# Allegro board belt-box-dvt3-0706pm14.brd (continued)
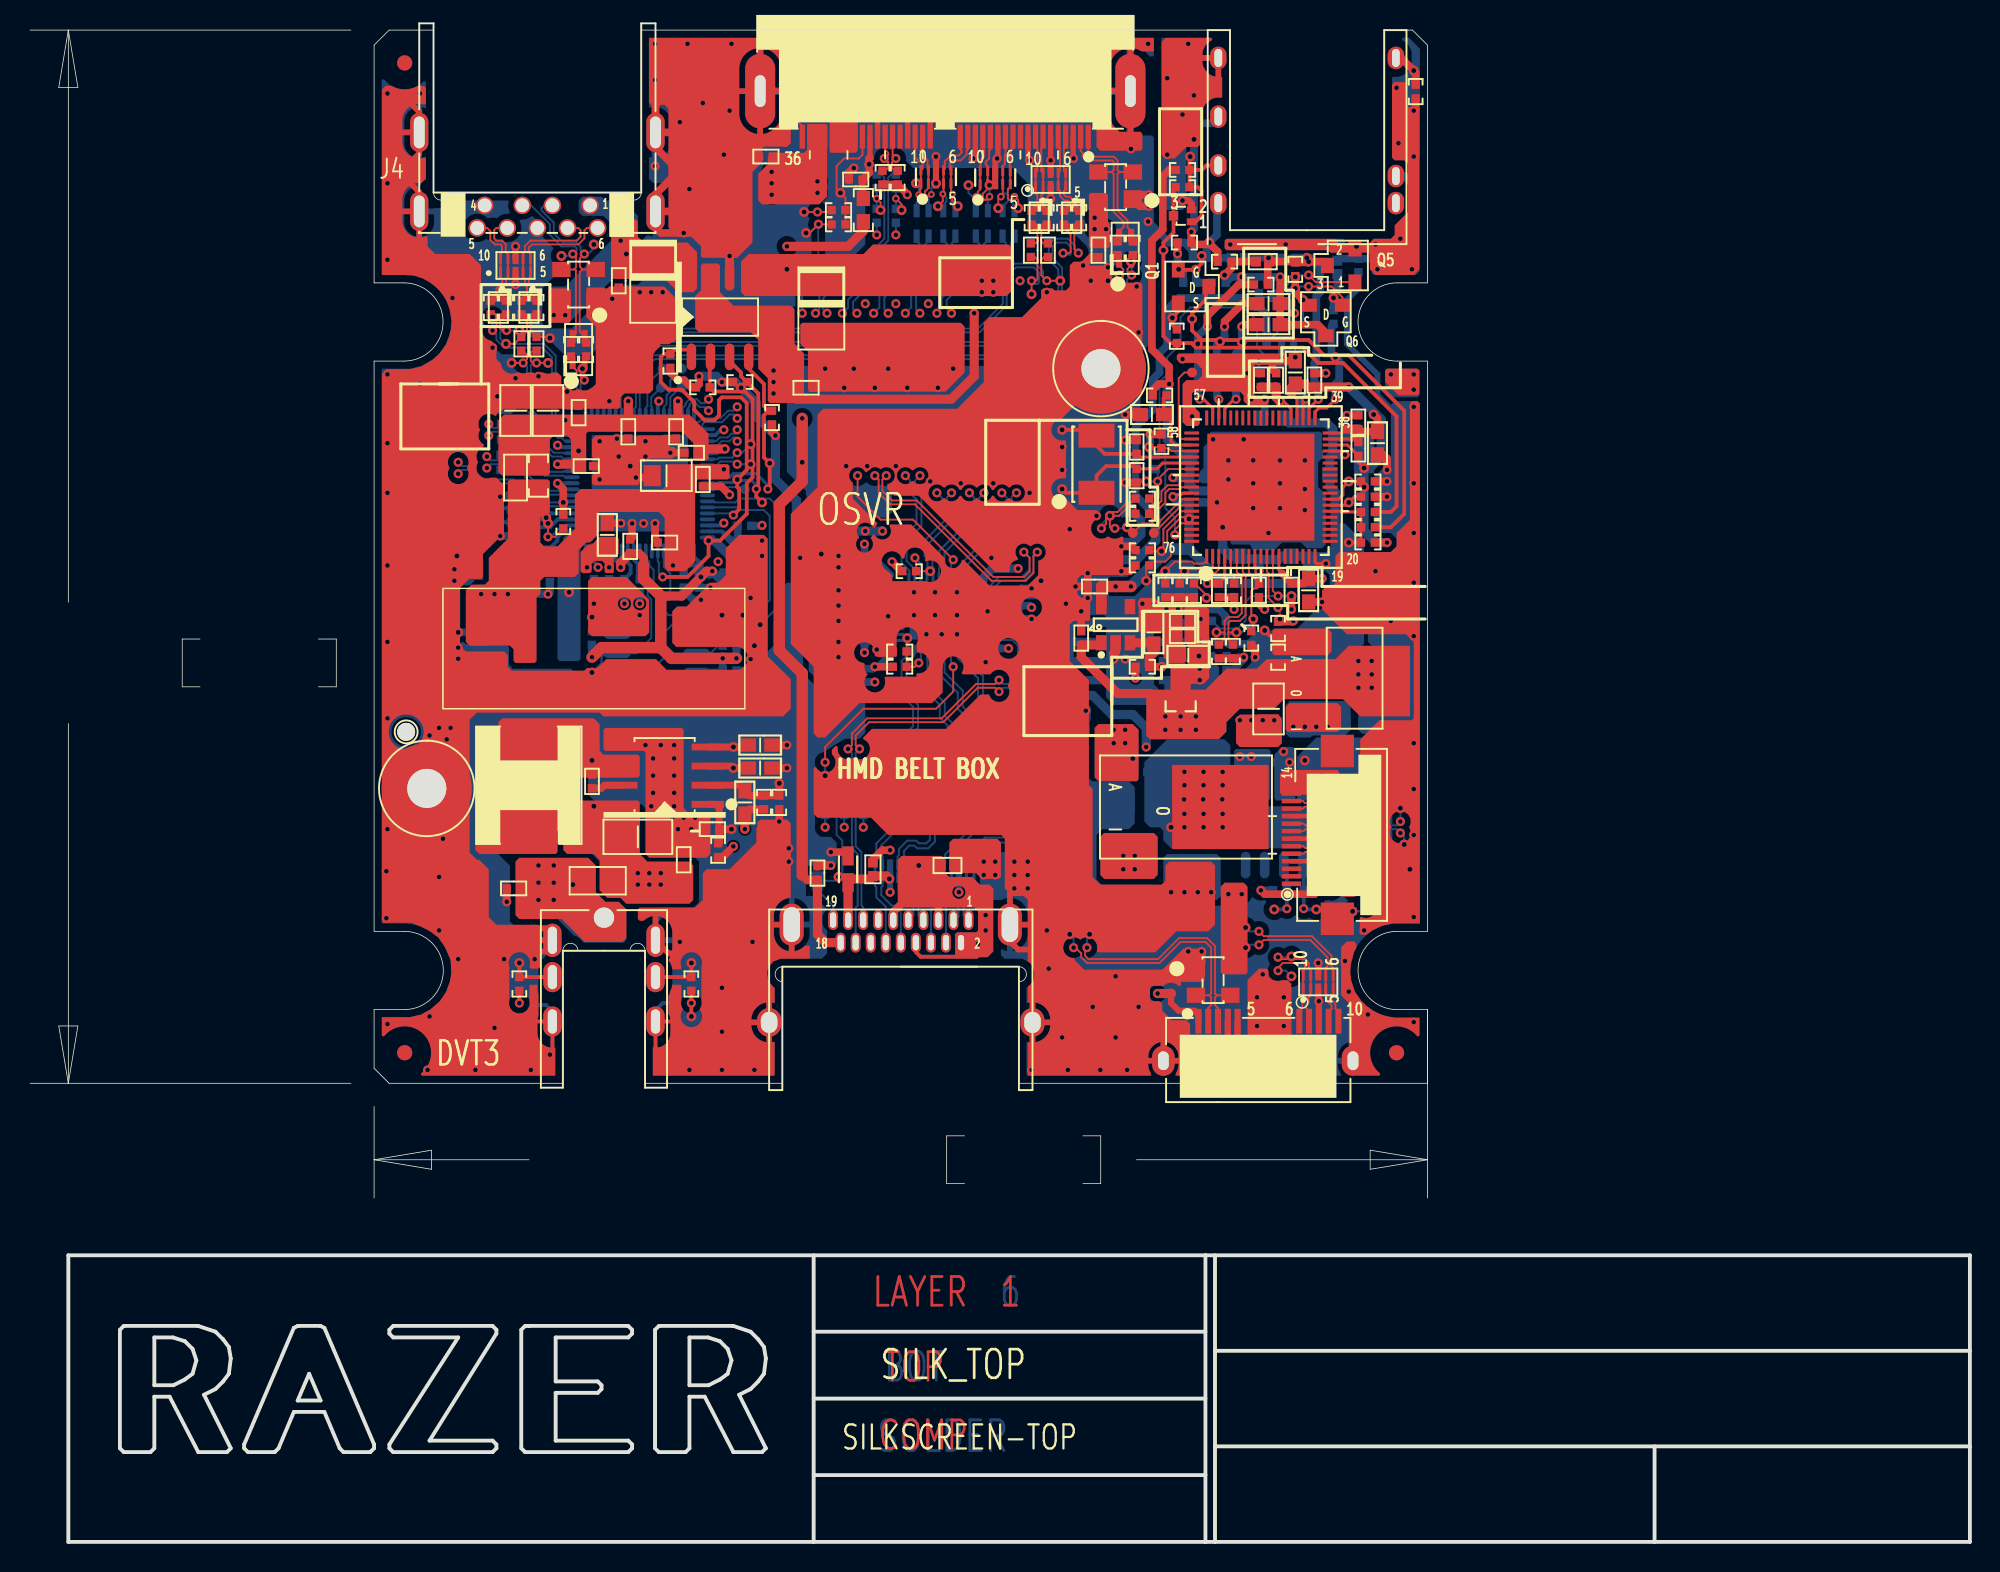
[diagram p0: board, top side]
## Footprints (pads in the part's own frame, mm; a bottom-side part is the same pattern mirrored in y, then rotated) (continued)
  rect 6.401x6.401 smd: 77(0,0)
QFN76-9X9-4-77P
  rect 0.991x0.203 smd: 1(-4.6,3.6) 2(-4.6,3.2) 3(-4.6,2.8) 4(-4.6,2.4) 5(-4.6,2) 6(-4.6,1.6) 7(-4.6,1.2) 8(-4.6,0.8) 9(-4.6,0.4) 10(-4.6,0) 11(-4.6,-0.4) 12(-4.6,-0.8) 13(-4.6,-1.2) 14(-4.6,-1.6) 15(-4.6,-2) 16(-4.6,-2.4) 17(-4.6,-2.8) 18(-4.6,-3.2) 19(-4.6,-3.6) 39(4.6,-3.6) 40(4.6,-3.2) 41(4.6,-2.8) 42(4.6,-2.4) 43(4.6,-2) 44(4.6,-1.6) 45(4.6,-1.2) 46(4.6,-0.8) 47(4.6,-0.4) 48(4.6,0) 49(4.6,0.4) 50(4.6,0.8) 51(4.6,1.2) 52(4.6,1.6) 53(4.6,2) 54(4.6,2.4) 55(4.6,2.8) 56(4.6,3.2) 57(4.6,3.6)
  rect 0.203x0.991 smd: 20(-3.6,-4.6) 21(-3.2,-4.6) 22(-2.8,-4.6) 23(-2.4,-4.6) 24(-2,-4.6) 25(-1.6,-4.6) 26(-1.2,-4.6) 27(-0.8,-4.6) 28(-0.4,-4.6) 29(0,-4.6) 30(0.4,-4.6) 31(0.8,-4.6) 32(1.2,-4.6) 33(1.6,-4.6) 34(2,-4.6) 35(2.4,-4.6) 36(2.8,-4.6) 37(3.2,-4.6) 38(3.6,-4.6) 58(3.6,4.6) 59(3.2,4.6) 60(2.8,4.6) 61(2.4,4.6) 62(2,4.6) 63(1.6,4.6) 64(1.2,4.6) 65(0.8,4.6) 66(0.4,4.6) 67(0,4.6) 68(-0.4,4.6) 69(-0.8,4.6) 70(-1.2,4.6) 71(-1.6,4.6) 72(-2,4.6) 73(-2.4,4.6) 74(-2.8,4.6) 75(-3.2,4.6) 76(-3.6,4.6)
  rect 7.112x7.112 smd: 77(0,0)
R0402
  rect 0.559x0.559 smd: 1(-0.457,0) 2(0.457,0)
R0603
  rect 1.016x0.889 smd: 1(-0.775,0) 2(0.775,0)
R-PDSO-G8
  rect 0.457x2.159 smd: 1(-1.905,-2.875) 2(-0.635,-2.875) 3(0.635,-2.875) 4(1.905,-2.875) 5(1.905,2.875) 6(0.635,2.875) 7(-0.635,2.875) 8(-1.905,2.875)
  rect 3.099x2.413 smd: 9(0,0)
SHORT0805
  rect 1.422x1.346 smd: 1(0.895,0) 2(-0.895,0)
SINGATRON_2DC3064-010111F
  rect 1.854x1.854 hole 1.346: 1(0,-8.3)
  oval 1.219x2.21 hole 0.61x1.803: 2(3.425,-6.8) G1(-3.425,-6.8)
  oval 1.219x2.007 hole 0.61x1.6: 3(3.425,-4.35) 4(-3.425,-4.35) G2(-3.425,-1.4) G3(3.425,-1.4)
SINGATRON_2HE1718-000X11F
  oval 0.66x1.321 hole 0.406x1.016: 1(4.5,6.8) 2(4,5.3) 3(3.5,6.8) 4(3,5.3) 5(2.5,6.8) 6(2,5.3) 7(1.5,6.8) 8(1,5.3) 9(0.5,6.8) 10(0,5.3) 11(-0.5,6.8) 12(-1,5.3) 13(-1.5,6.8) 14(-2,5.3) 15(-2.5,6.8) 16(-3,5.3) 17(-3.5,6.8) 18(-4,5.3) 19(-4.5,6.8)
  oval 1.6x2.794 hole 1.092x2.311: G1(-7.25,6.5) G2(7.25,6.5)
  oval 1.6x1.905 hole 1.092x1.397: G3(-8.75,0) G4(8.75,0)
SINGATRON_2SJ2284-102592
  oval 1.092x1.499 hole 0.508x1.194: 1(-5.9,9.7) 2(5.9,11.5) 3(-5.9,1.85) 4(5.9,5.75) 5(-5.9,11.5) 6(5.9,1.85) 7(5.9,9)
SINGATRON_2UB1585-000121F
  round 1.168 hole 0.914: 1(-3.5,4.85) 2(-1,4.85) 3(1,4.85) 4(3.5,4.85) 5(4,6.35) 6(2,6.35) 7(0,6.35) 8(-2,6.35) 9(-4,6.35)
  oval 1.219x2.616 hole 0.711x2.108: G1(-7.85,5.25) G2(7.85,5.25) G3(-7.85,0) G4(7.85,0)
SK-3M
  rect 1.397x1.194 smd: 1(-1.1,-0.85) 2(1.1,-0.85) 3(1.1,0.85) 4(-1.1,0.85)
SMPI0603HW
  rect 2.489x3.505 smd: 1(-3.1,0) 2(3.1,0)
SOIC8-6-1_27
  rect 0.533x1.753 smd: 1(-1.905,-2.73) 2(-0.635,-2.73) 3(0.635,-2.73) 4(1.905,-2.73) 5(1.905,2.73) 6(0.635,2.73) 7(-0.635,2.73) 8(-1.905,2.73)
SOP8
  oval 0.635x1.778 smd: 1(-1.905,-2.642) 2(-0.635,-2.642) 3(0.635,-2.642) 4(1.905,-2.642) 5(1.905,2.642) 6(0.635,2.642) 7(-0.635,2.642) 8(-1.905,2.642)
SOT23-5
  rect 0.711x1.016 smd: 1(-0.95,-1.2) 2(0,-1.2) 3(0.95,-1.2) 4(0.95,1.2) 5(-0.95,1.2)
SOT23-132
  custom 1.016x0.864 smd: 1(-1.105,-0.914) 2(1.105,-0.914) 3(0,0.914)
SOT23-GDS
  rect 1.016x0.864 smd: D(0,0.914)
  custom 1.016x0.864 smd: G(-1.105,-0.914) S(1.105,-0.914)
SOT143B
  custom 1.194x1.219 smd: 1(-0.8,-1.143)
  rect 1.016x1.219 smd: 2(1.003,-1.143) 3(1.003,1.143) 4(-1.003,1.143)
SOT143B#2
  rect 1.219x1.219 smd: 1(-0.8,-1.143)
  rect 1.016x1.219 smd: 2(1.003,-1.143) 3(1.003,1.143) 4(-1.003,1.143)
SOT223-123
  rect 0.991x2.311 smd: 1(-2.3,-2.75) 3(2.3,-2.75)
  custom 3.302x7.874 smd: 2(0,0)
SUP_PGB1010603MR
  rect 0.762x1.27 smd: 1(0,-0.89) 2(0,0.89)
TANB
  rect 1.27x2.54 smd: 1(-1.651,0) 2(1.651,0)
TANBB2
  rect 1.6x2.692 smd: 1(-1.5,0) 2(1.5,0)
TO252-AOI
  rect 0.711x2.311 smd: A(-2.29,-6.876) I(2.29,-6.876)
  rect 5.588x6.401 smd: O(0,-0.254)
TPC26T
  round 0.66 smd: 1(0,0)
TQFN40P500X500-41N
  rect 0.6x0.2 smd: 1(-2.4,1.8) 2(-2.4,1.4) 3(-2.4,1) 4(-2.4,0.6) 5(-2.4,0.2) 6(-2.4,-0.2) 7(-2.4,-0.6) 8(-2.4,-1) 9(-2.4,-1.4) 10(-2.4,-1.8) 21(2.4,-1.8) 22(2.4,-1.4) 23(2.4,-1) 24(2.4,-0.6) 25(2.4,-0.2) 26(2.4,0.2) 27(2.4,0.6) 28(2.4,1) 29(2.4,1.4) 30(2.4,1.8)
  rect 0.2x0.6 smd: 11(-1.8,-2.4) 12(-1.4,-2.4) 13(-1,-2.4) 14(-0.6,-2.4) 15(-0.2,-2.4) 16(0.2,-2.4) 17(0.6,-2.4) 18(1,-2.4) 19(1.4,-2.4) 20(1.8,-2.4) 31(1.8,2.4) 32(1.4,2.4) 33(1,2.4) 34(0.6,2.4) 35(0.2,2.4) 36(-0.2,2.4) 37(-0.6,2.4) 38(-1,2.4) 39(-1.4,2.4) 40(-1.8,2.4)
  rect 3.5x3.5 smd: E1(0,0)
TY-TOP_MDJE4040T100MM
  rect 1.194x3.708 smd: 1(-1.4,0) 2(1.4,0)
unnamed#2
  round 1.016 smd: 1(0,0)
VMT3-132
  rect 0.457x0.635 smd: 1(-0.4,-0.599) 2(0.4,-0.599)
  rect 0.635x0.635 smd: 3(-0.001,0.599)
XTL-5X3_2-3_8-2P
  rect 1.6x2.388 smd: 1(-1.9,0) 2(1.9,0)

## Nets
+3.3V_VDDO: C48.1 C49.1 C52.1 C53.1 C54.1 C55.1 C56.1 C65.1 C66.1 C67.1 C68.1 C75.1 C76.1 C79.1 L8.2 L9.1 R54.2 R58.2 R59.2 R60.2 R63.2 R80.2 R102.2 R282.2 R283.2 U11.9 U11.19 U11.35 U11.41 U11.65 U13.8
+5V: C11.2 C13.2 C27.1 C42.1 C87.1 C90.1 C91.1 C97.1 L10.2 R1.1 R2.1 R33.1 R36.1 R61.2 R87.1 R104.2 R105.2 U2.3 U3.I U7.72 U7.76 U8.7 U18.4 U20.7
+AVDDH33: C63.1 C64.1 L9.2 R69.1 U11.42
+V1.5: C1.2 C3.2 C6.1 C8.1 C9.1 C12.2 R5.1 U1.12 U1.19 U1.20 U1.31 U1.40 U3.O
+V3.3: C2.2 C7.1 C10.2 C69.2 L8.1 R6.1 R12.1 R13.1 R14.1 R15.1 R16.1 R17.1 R18.1 R42.1 R43.1 R44.1 R45.1 R64.2 R81.1 R83.1 U1.11 U1.37 U2.2 U12.1
+V5_USB: J5.1 R35.1 TP4.1
AGND: C61.1 C62.2 C63.2 C64.2 C95.1 J6.6 Q2.2 Q3.2 Q4.2 Q5.2 R68.2 R76.2 R78.1 R79.2
AV12: C22.1 C23.1 C24.1 C25.1 C26.1 C37.2 C38.2 R32.2 U7.13 U7.19 U7.27 U7.35 U7.43 X_FB1.2
DV12: C20.1 C21.1 C33.2 C34.1 C35.1 C36.2 EC1.1 L4.2 R31.1 R32.1 U7.46 U7.61 X_FB1.1
GND: C1.1 C2.1 C3.1 C4.2 C5.2 C6.2 C7.2 C8.2 C9.2 C10.1 C11.1 C12.1 C13.1 C14.2 C15.2 C20.2 C21.2 C22.2 C23.2 C24.2 C25.2 C26.2 C27.2 C28.1 C29.2 C30.2 C31.2 C32.2 C33.1 C34.2 C36.1 C37.1 C38.1 C39.2 C40.2 C41.2 C42.2 C43.2 C44.2 C47.2 C48.2 C49.2 C50.2 C51.2 C52.2 C53.2 C54.2 C55.2 C56.2 C57.2 C58.2 C59.2 C60.2 C65.2 C66.2 C67.2 C68.2 C69.1 C70.1 C71.2 C72.2 C74.1 C75.2 C76.2 C79.2 C80.2 C81.2 C82.2 C83.2 C84.2 C85.2 C87.2 C88.2 C89.2 C90.2 C92.2 C93.2 C94.1 C96.2 C97.2 C106.2 EC1.2 ESD1.2 ESD2.2 FB4.2 FB5.2 H1.1 H2.1 J1.G1 J1.G2 J1.G3 J1.G4 J2.3 J2.6 J2.9 J2.13 J2.16 J2.19 J2.22 J2.26 J2.29 J2.30 J2.31 J2.32 J2.G1 J2.G2 J2.S1 J2.S2 J3.2 J3.G1 J3.G2 J3.G3 J4.4 J4.7 J4.G1 J4.G2 J4.G3 J4.G4 J5.4 J5.5 J5.8 J5.G1 J5.G2 J5.S1 J5.S2 J5.S3 J5.S4 J23.4 J23.7 J23.10 R4.2 R8.2 R9.2 R21.2 R22.2 R23.2 R24.2 R25.2 R34.2 R37.2 R38.2 R40.2 R41.2 R55.2 R56.2 R57.2 R62.1 R65.1 R66.1 R67.1 R68.1 R72.1 R73.1 R88.2 R99.1 U1.15 U1.35 U1.E1 U4.3 U4.8 U5.1 U6.4 U7.10 U7.16 U7.24 U7.32 U7.40 U7.77 U8.6 U9.1 U10.3 U10.8 U11.77 U12.2 U13.1 U13.2 U13.3 U13.4 U14.5 U14.9 U16.3 U16.8 U17.3 U17.8 U18.1 U19.3 U19.8 U20.6 U21.3 U21.8 U22.3 U22.8 U23.3 U23.8
V33: C28.2 C29.1 C30.1 C31.1 C32.1 R29.2 R30.1 U6.8 U7.57 U7.58 U7.59 U7.71
VBUS-IN: R36.2 R41.1 U7.56
VIN: C92.1 C93.1 J2.33 J2.34 J2.35 J3.1 L11.2 R89.1
+1.8_VDD: C57.1 C58.1 C59.1 C60.1 C70.2 U11.4 U11.13 U11.68 U12.5
APP: Q3.3 Q4.1 Q6.G R104.1
APP#: Q4.3 Q5.1 R105.1
CFG: R13.2 U1.23
DCIN_EN: R14.2 U1.13
DDC_GND: ESD2.1 FB5.1 J1.17
DDCBUF: R18.2 R25.1 U1.14
EQ: R12.2 R21.1 U1.17
FB: C35.2 R31.2 R34.1 U7.2
GPIO2: Q3.1 U11.73
HDMI_5V: C4.1 J1.18 R3.1
HDMI_CON_CLK+: J1.10 L15.1 U17.4 U17.7
HDMI_CON_CLK+_P: L15.4 U1.9
HDMI_CON_CLK-: J1.12 L15.2 U17.5 U17.6
HDMI_CON_CLK-_P: L15.3 U1.10
HDMI_CON_DATA0+: J1.7 L14.1 U17.1 U17.10
HDMI_CON_DATA0+_P: L14.4 U1.6
HDMI_CON_DATA0-: J1.9 L14.2 U17.2 U17.9
HDMI_CON_DATA0-_P: L14.3 U1.7
HDMI_CON_DATA1+: J1.4 L13.1 U16.4 U16.7
HDMI_CON_DATA1+_P: L13.4 U1.4
HDMI_CON_DATA1-: J1.6 L13.2 U16.5 U16.6
HDMI_CON_DATA1-_P: L13.3 U1.5
HDMI_CON_DATA2+: J1.1 L12.1 U16.1 U16.10
HDMI_CON_DATA2+_P: L12.4 U1.1
HDMI_CON_DATA2-: J1.3 L12.2 U16.2 U16.9
HDMI_CON_DATA2-_P: L12.3 U1.2
HDMI_CON_DET: ESD1.1 J1.19 R302.1 R317.1
HDMI_CON_DET_B: R317.2 R371.1
HDMI_CON_DET_P: R302.2 U1.3
HDMI_CON_SCL: J1.15 R318.1 R320.1
HDMI_CON_SCL_B: R320.2 R372.1
HDMI_CON_SCL_P: R318.2 U1.38
HDMI_CON_SDA: J1.16 R319.1 R321.1
HDMI_CON_SDA_B: R321.2 R373.1
HDMI_CON_SDA_P: R319.2 U1.39
HMD_5V: C5.1 J2.27 R3.2
HMD_CON_CLK+: L19.1 U1.22
HMD_CON_CLK+_A: J2.20 L19.4 U23.2 U23.9
HMD_CON_CLK-: L19.2 U1.21
HMD_CON_CLK-_A: J2.21 L19.3 U23.1 U23.10
HMD_CON_DATA0+: L18.1 U1.25
HMD_CON_DATA0+_A: J2.17 L18.4 U23.5 U23.6
HMD_CON_DATA0-: L18.2 U1.24
HMD_CON_DATA0-_A: J2.18 L18.3 U23.4 U23.7
HMD_CON_DATA1+: L17.1 U1.27
HMD_CON_DATA1+_A: J2.14 L17.4 U21.2 U21.9
HMD_CON_DATA1-: L17.2 U1.26
HMD_CON_DATA1-_A: J2.15 L17.3 U21.1 U21.10
HMD_CON_DATA2+: L16.1 U1.30
HMD_CON_DATA2+_A: J2.11 L16.4 U21.5 U21.6
HMD_CON_DATA2-: L16.2 U1.29
HMD_CON_DATA2-_A: J2.12 L16.3 U21.4 U21.7
HMD_CON_DET: R337.1 U1.28
HMD_CON_DET_A: J2.28 R337.2 R371.2
HMD_CON_SCL: R344.1 U1.32
HMD_CON_SCL_A: J2.24 R1.2 R344.2 R372.2
HMD_CON_SDA: R345.1 U1.33
HMD_CON_SDA_A: J2.25 R2.2 R345.2 R373.2
HP_JD: J6.7 Q2.1 R102.1 R103.2
HP_JD#: Q2.3 R71.2 R84.1 R103.1
HP_OUT_L: R85.1 U11.39
HP_OUT_R: R86.1 U11.40
HPOUT-L_COMBO: C81.1 FB2.2 J6.1
HPOUT-L_R: FB2.1 R85.2
HPOUT-R_COMBO: C80.1 FB3.2 J6.2
HPOUT-R_R: FB3.1 R86.2
HUB_D+1: L7.1 R51.2 U7.20
HUB_D+2: L3.1 R26.2 U7.28
HUB_D+3: R52.1 U7.36
HUB_D+4: R91.2 U7.44
HUB_D-1: L7.3 R49.2 U7.21
HUB_D-2: L3.3 R20.2 U7.29
HUB_D-3: R53.1 U7.37
HUB_D-4: R90.2 U7.45
HUB_RX1_CON_N: J4.5 L5.4 R46.2 U10.1 U10.10
HUB_RX1_CON_P: J4.6 L5.1 R47.2 U10.2 U10.9
HUB_RX2_CON_N: J2.4 L1.1 R7.2 U4.5 U4.6
HUB_RX2_CON_P: J2.5 L1.4 R10.2 U4.4 U4.7
HUB_RX4_CON_N: J23.9 R94.2 U22.1 U22.10
HUB_RX4_CON_P: J23.8 R95.2 U22.2 U22.9
HUB_RXN1: L5.3 R46.1 U7.17
HUB_RXN2: L1.2 R7.1 U7.25
HUB_RXN3: TP9.1 U7.33
HUB_RXN4: R94.1 U7.41
HUB_RXP1: L5.2 R47.1 U7.18
HUB_RXP2: L1.3 R10.1 U7.26
HUB_RXP3: TP10.1 U7.34
HUB_RXP4: R95.1 U7.42
HUB_TX1_CON_N: J4.8 L6.4 R48.2 U10.4 U10.7
HUB_TX1_CON_P: J4.9 L6.1 R50.2 U10.5 U10.6
HUB_TX2_CON_N: J2.7 L2.1 R11.2 U4.2 U4.9
HUB_TX2_CON_P: J2.8 L2.4 R19.2 U4.1 U4.10
HUB_TX4_CON_N: J23.6 R92.2 U22.4 U22.7
HUB_TX4_CON_P: J23.5 R93.2 U22.5 U22.6
HUB_TXN1: C45.1 U7.14
HUB_TXN2: C16.1 U7.22
HUB_TXN3: TP7.1 U7.30
HUB_TXN4: C98.1 U7.38
HUB_TXP1: C46.1 U7.15
HUB_TXP2: C17.1 U7.23
HUB_TXP3: TP8.1 U7.31
HUB_TXP4: C99.1 U7.39
I2C_CLT_EN: R16.2 R23.1 U1.8
I2C_CSN: C94.2 R63.1 U11.8
I2C_EN: R67.2 U11.5
I2C_SCL: R66.2 U11.6
I2C_SDA: R65.2 U11.7
ISET: R17.2 R24.1 U1.34
MIC1_L: C77.2 U11.54
MIC1_MIX: C77.1 C78.1 Q6.D R82.1
MIC1_MIX_FB: FB1.2 R75.1
MIC1_MIX_R: FB1.1 Q5.3 R74.1 R77.1
MIC1_R: C78.2 U11.55
MIC1_VREFOUT_L: R74.2 U11.56
MIC1_VREFOUT_R: TP3.1 U11.59
MIC_JD#: Q1.D R70.2
MIC_MIX: J6.4 R75.2 R76.1 R78.2
NVMCLK: R283.1 U11.11 U13.6
NVMDAT: R282.1 U11.12 U13.5
OVCUR1#: R44.2 U7.64 U8.2
OVCUR2#: R43.2 U7.48 U8.3
OVCUR4#: R83.2 U7.55 U20.2
P_SPI_CK: U6.6 U7.51
P_SPI_CZ: U6.1 U7.52
P_SPI_DI: U6.2 U7.67
P_SPI_DO: U6.5 U7.66
PGANG: R37.1 U7.60
PRE: R15.2 R22.1 U1.16
PSELF: R33.2 U7.68
PWREN1#: R45.2 U7.53 U8.1
PWREN2#: R42.2 U7.47 U8.4
PWREN3#: TP6.1 U7.49
PWREN4#: R81.2 U7.75 U20.1
RESET#: C40.1 R35.2 R40.1 U7.69
RST_N: C50.1 R54.1 U11.60
RTERM: R38.1 U7.3
SENSE_A: R69.2 R70.1 R71.1 U11.25
SW: L4.1 U7.1
SYNC: J2.36 R382.2 R383.2
SYNC3: J3.3 R382.1
SYNC4: J3.4 R383.1
TMDS_GND: FB4.1 J1.2 J1.5 J1.8 J1.11
USB1+: J4.3 L7.2 R51.1 U9.3
USB1-: J4.2 L7.4 R49.1 U9.2
USB2+: J2.2 L3.2 R26.1 U5.3
USB2-: J2.1 L3.4 R20.1 U5.2
USB2.0_D+: J5.3 U7.7 U18.3
USB2.0_D-: J5.2 U7.6 U18.2
USB3.0_RXN: J5.9 R28.1 U19.4 U19.7
USB3.0_RXN_R: R28.2 U7.11
USB3.0_RXP: J5.10 R27.1 U19.5 U19.6
USB3.0_RXP_R: R27.2 U7.12
USB3.0_TXN: C19.2 J5.6 U19.1 U19.10
USB3.0_TXN_R: C19.1 U7.8
USB3.0_TXP: C18.2 J5.7 U19.2 U19.9
USB3.0_TXP_R: C18.1 U7.9
USB3_TX1_C_N: C45.2 L6.3 R48.1
USB3_TX1_C_P: C46.2 L6.2 R50.1
USB3_TX2_C_N: C16.2 L2.2 R11.1
USB3_TX2_C_P: C17.2 L2.3 R19.1
USB3_TX4_C_N: C98.2 R92.1
USB3_TX4_C_P: C99.2 R93.1
USB4+: J23.11 R91.1
USB4-: J23.12 R90.1
USB_DET: R61.1 R62.2 U11.64
USB_PWR1: C43.1 C44.1 J4.1 U8.8 U9.4
USB_PWR2: C14.1 C15.1 U5.4 U8.5
USB_PWR4: C106.1 J23.13 J23.14 U20.8
USBP1N_R: R53.2 U11.67
USBP1P_R: R52.2 U11.66
VOLT_MON: R73.2 U11.27
VOLUME: R72.2 U11.26
WP: R80.1 R99.2 U13.7
X1: C39.1 R39.1 U7.4 Y1.1
X2: C41.1 R39.2 U7.5 Y1.3
XTALIN: C47.1 U11.62 Y2.2
XTALOUT: C51.1 U11.63 Y2.1
N16700423: R4.1 U1.18
N16708492: R6.2 R8.1 U2.1
N16709232: R5.2 R9.1 U3.A
N16752922: R29.1 U6.7
N16752926: R30.2 U6.3
N16752974: TP5.1 U7.63
N16792985: R59.1 U11.2
N16793019: C73.1 U11.36
N16793115: C73.2 U11.37
N16793150: TP1.1 U11.69
N16793205: C61.2 C62.1 U11.43
N16793213: TP2.1 U11.70
N16793232: R58.1 U11.3
N16793236: C71.1 C72.1 U11.38
N16793242: R56.1 U11.71
N16793251: R60.1 U11.1
N16793299: R57.1 U11.72
N16793611: R55.1 U11.61
N16793759: C74.2 R64.1 U12.3
N16805452: J6.3 R79.1
N16805614: C95.2 Q1.G R82.2
N16805639: Q1.S R84.2
N16817726: C83.1 U14.4
N16817730: C82.1 U14.3
N16817738: C86.1 U14.7
N16817757: C84.1 C88.1 C89.1 C96.1 L11.1 U14.8
N16817767: C91.2 R87.2 R88.1 U14.2
N16817796: C85.1 R89.2 U14.1
N16817821: C86.2 L10.1 U14.6
N16854855: Q6.S R77.2

Pads without a net: J1 13 14; J2 10 23; J6 5; J23 1 2 3 S1 S2; NOREF#4 1; NOREF#7 1; NOREF#10 1; NOREF#11 1; NOREF#12 1; NOREF#13 1; U1 36; U7 50 54 62 65 70 73 74; U11 10 14 15 16 17 18 20 21 22 23 24 28 29 30 31 32 33 34 44 45 46 47 48 49 50 51 52 53 57 58 74 75 76; U12 4; U20 3 4 5; Y1 2 4

## Via types
v1: diameter 0.61, hole 0.305, TOP to BOTTOM, 629 vias
v2: diameter 0.66, hole 0.33, TOP to BOTTOM, 141 vias
v3: diameter 0.508, hole 0.254, TOP to BOTTOM, 6 vias
v4: diameter 0.457, hole 0.203, TOP to BOTTOM, 4 vias

## Routing (per net, layer and track width the routed paths; a pad name or vN(x,y) marks a point on that pad's centre or on a via; arc(x,y) is an arc through that point)
+3.3V_VDDO: length 74.8
  TOP w0.203: v1(86.11,65.02) 85.51,65.02 85.39,65.15 U11.19 ; U11.65 76.11,70.9 v1(75.95,70.74) ; v1(81.66,64.52) 81.39,64.79 U11.9 ; v1(84.77,75.95) 84.59,75.76 U11.41 ; v1(87.38,72.26) 87.13,72.5 U11.35
  TOP w0.508: R102.2 75.69,91.19 75.27,90.77 75.27,87.21 74.55,86.49 74.55,79.25 75.69,78.11 v1(75.69,76.96) 75.01,76.96 74.6,76.56 R54.2 ; 77.47,61.98 77.34,62.1 R58.2 R59.2 R60.2 ; v1(81.41,58.8) 81.41,59.36 R63.2
  BOTTOM w0.508: v1(77.77,61.34) 77.77,61.65 78.1,61.98 78.99,61.98 79.45,61.52 R282.2 ; 81.79,59.69 79.58,59.69 R283.2
  BOTTOM w0.533: U13.8 75.64,57.04 C79.1 77.47,55.88
  BOTTOM w0.61: 86.56,73.41 C76.1 ; 86.56,73.41 88.51,73.41 L9.1 ; 86.56,73.41 86.56,73.96 86.16,74.37 C67.1 ; C76.1 86.37,72.07 C75.1 86.37,70.12 86.72,69.77 86.72,65.76 86.28,65.33 ; C76.1 v1(87.38,72.26) ; v1(75.95,70.74) C49.1 ; C49.1 77.01,70.31 77.47,69.85 79.25,69.85 79.76,69.34 79.76,68.58 79.25,68.07 v2(79.25,67.44) 79.25,66.04 79.76,65.53 80.38,65.53 C55.1 80.58,65.33 C56.1 ; C49.1 77.08,70.8 C48.1 76.84,72.01 75.56,73.28 75.56,76.83 v1(75.69,76.96) ; C67.1 84.58,75.76 v1(84.77,75.95) ; C67.1 83.63,74.37 C66.1 83.31,74.69 ; C56.1 v1(81.66,64.52) ; C56.1 81.71,65.28 82.93,65.28 83.17,65.52 C68.1 85.15,65.52 C65.1
  vias: v1(77.77,59.82) v1(77.72,58.04) v1(77.72,57.28)
+5V: length 98.1
  TOP w0.508: R2.1 R1.1 58.29,89.59 v1(58.29,89.53) ; C91.1 47.82,48.69 R87.1
  TOP w0.61: C91.1 v1(47.5,47.37) ; 50.93,75.95 61.21,75.95 62.74,77.47 v1(62.74,81.66)
  IN1 w0.61: v1(34.54,48.89) 35.56,48.89 38.1,46.36 45.09,46.36 46.1,47.37 v1(47.5,47.37) ; v1(58.29,89.53) 58.29,89.03 61.28,86.04 61.28,82.99 62.61,81.66 v1(62.74,81.66)
  BOTTOM w0.254: U7.72 38.51,64.8 v1(38.48,64.77) ; v1(37.01,64.77) 36.91,64.86 U7.76
  BOTTOM w0.508: R33.1 v1(40.51,62.36) ; R104.2 82.17,81.58 R105.2 81.36,82.09 80.77,82.68 76.33,82.68 75.56,81.92 75.56,79.53 75.06,79.02 75.06,77.72 74.6,77.27 74.6,75.23 73.46,74.09 73.46,69.55 74.24,68.76 R61.2 ; v1(48.64,67.56) 48.62,67.54 R36.1
  BOTTOM w0.61: v1(74.17,52.83) 74.17,54.1 73.28,54.99 71.88,54.99 70.61,56.26 68.45,56.26 67.56,57.15 67.56,62.23 68.45,63.12 68.45,63.88 69.85,65.28 73.53,65.28 74.8,66.55 v2(74.8,67.82) R61.2
  vias: v1(32.26,49.78) v1(32.26,48.89) v1(33.02,49.78) v1(33.02,48.89) v1(33.78,49.78) v1(33.78,48.89) v1(34.54,49.78) v1(49.4,77.85) v1(49.4,77.09) v1(49.4,76.33) v1(72.64,45.59) v1(72.64,44.7) v1(73.41,45.59) v1(73.41,44.7) v1(79.63,43.05) v1(80.52,43.05) v1(83.3,52.53) v1(83.69,51.82) v1(83.95,54.18) v1(84.71,54.18) v1(85.47,54.18) v1(86.23,54.18)
+AVDDH33: length 20
  TOP w0.203: 83.82,76.33 84.19,75.96 U11.42
  TOP w0.508: R69.1 v1(90.17,66.42)
  TOP w0.61: 83.82,76.33 83.82,76.7 C63.1 84.72,76.95 84.91,76.76 C64.1 v1(87.63,76.76)
  BOTTOM w0.61: v1(87.63,76.76) 89.79,74.6 89.79,72.14 89.15,71.49 L9.2 v2(88.65,70.1) 88.65,67.21 89.43,66.42 v1(90.17,66.42)
+V1.5: length 18.1
  BOTTOM w0.178: U1.12 57.15,60.32 57.02,60.2 ; 63.37,63.88 63.37,63.78 63.11,63.52 U1.31 ; U1.20 57.28,63.52 57.15,63.65 57.15,64.26 ; U1.19 57.02,63.12 56.64,63.5 ; U1.40 63.14,59.92 63.5,59.56
  BOTTOM w0.508: v1(55.45,59.11) C9.1 55.63,59.82 56.01,60.2 57.02,60.2 ; 63.5,59.56 63.68,59.39 C1.2 v1(65.02,59.39) ; 56.64,63.5 56.64,63.75 55.88,64.52 C8.1 C6.1 ; 57.15,64.26 55.88,65.53 C6.1 ; C6.1 v1(55.45,66.32) ; 63.37,63.88 63.37,64.14
  BOTTOM w0.559: v1(65.66,64.69) C3.2 63.93,64.69 63.37,64.14
  vias: v1(76.71,51.18) v1(76.71,50.29) v1(76.68,49.35) v1(76.71,48.39) v1(76.71,47.5) v1(77.98,51.18) v1(77.98,50.29) v1(77.95,49.35) v1(77.98,48.39) v1(77.98,47.5) v1(79.25,51.18) v1(79.25,50.29) v1(79.22,49.35) v1(79.25,48.39) v1(79.25,47.5) v2(75.82,47.5)
+V3.3: length 76
  TOP w0.508: v1(86.49,43.31) 85.6,43.31 85.34,43.05 82.04,43.05 v1(81.79,43.31) ; R43.1 v1(45.97,77.09) ; v1(44.45,77.47) 44.45,76.94 R44.1 43.94,76.73 43.46,77.22 43.05,77.22 42.55,77.72 R45.1 ; v1(49.53,73.53) 49.3,73.76 R42.1 ; R13.1 57.91,64.52 v1(57.28,65.15) ; R16.1 v1(56.13,58.17) ; R64.2 v1(73.46,57.4)
  TOP w0.61: U12.1 71.04,59.61 C69.2 69.85,58.8 72.26,56.39 74.42,56.39 75.06,55.75
  IN1 w0.61: v1(89.15,56.77) 89.41,56.52 89.41,45.47 87.25,43.31 v1(86.49,43.31)
  BOTTOM w0.178: U1.11 57.55,59.92 57.15,59.52
  BOTTOM w0.198: 63.72,61.12 U1.37
  BOTTOM w0.483: C2.2 64.82,61.14 65.74,62.05 R17.1
  BOTTOM w0.508: C7.1 56.01,58.04 v1(56.13,58.17) 56.39,58.17 57.15,58.93 57.15,59.52 ; v1(81.79,43.31) R83.1 ; R17.1 66.42,62.23 v1(66.55,62.1) ; C2.2 64.66,61.12 63.72,61.12 ; R12.1 R15.1 R18.1 R14.1 51.99,57.99 52.83,57.15 v1(56.13,57.15) ; R81.1 v1(86.49,43.31)
  BOTTOM w0.61: v1(56.64,67.18) v1(55.5,67.18) 51.82,67.18 50.93,68.07 50.93,69.22 49.53,70.61 v1(49.53,73.53) 48.26,74.8 48.26,75.69 v2(47.24,76.71) 46.86,77.09 v1(45.97,77.09) 45.59,77.47 v1(44.45,77.47)
  vias: v1(75.44,54.86) v1(75.44,53.98) v1(76.45,54.86) v1(76.45,53.98) v1(77.47,54.86) v1(77.47,53.98) v1(88.27,58.55) v1(88.27,57.66) v1(88.27,56.77) v1(89.15,58.55) v1(89.15,57.66)
+V5_USB: length 60.6
  TOP w0.406: J5.1 77.64,35.01 77.34,35.31 76.33,35.31 75.82,35.81 TP4.1
  TOP w0.61: TP4.1 v1(74.93,36.45)
  IN1 w0.61: v1(39.5,62.36) 39.5,61.47 40.26,60.71 42.8,60.71 49.02,54.48 49.02,44.96 49.66,44.32 51.82,44.32 52.45,43.69 56.01,43.69 56.9,44.58 57.66,44.58 59.31,46.23 67.69,46.23 74.93,38.99 v1(74.93,36.45)
  BOTTOM w0.508: R35.1 v1(39.5,62.36)
AGND: length 25.4
  TOP w0.381: 77.78,98.63 J6.6 78.96,97.25
  TOP w0.457: v1(76.58,89.15) 76.96,89.15 77.18,88.94 Q2.2
  TOP w0.508: v1(86.23,86.23) 86.53,85.94 Q5.2 89.12,85.94 v1(89.41,86.23) ; C62.2 82.55,77.93 82.55,78.36 ; C63.2 83.43,78.5 v1(83.19,78.74) ; R79.2 92.08,95.25 v1(91.95,95.12) ; C64.2 v1(86.11,77.67) ; R76.2 v1(76.25,85.61) ; C61.1 v1(80.9,77.67)
  IN1 w0.381: 78.96,97.37 J6.6 77.91,98.63
  IN2 w0.381: 78.96,97.37 J6.6 77.91,98.63
  BOTTOM w0.381: 77.78,98.63 J6.6 78.96,97.25
  BOTTOM w0.457: v1(83.19,78.74) 83.17,78.76 Q3.2 ; Q4.2 83.78,81.9 v1(84.02,81.66)
  BOTTOM w0.508: R68.2 82.04,74.94 v1(82.04,75.95) ; R78.1 v1(77.34,96.14) ; v1(76.25,85.61) 76.25,84.66 v2(76.33,84.58) 76.63,84.28 C95.1
  vias: v1(75.56,97.28) v1(75.56,92.2) v1(76.58,94.87) v1(76.58,78.61) v1(76.96,99.57) v1(77.22,74.8) v1(79.76,86.23) v1(81.15,75.95) v1(81.66,78.49) v1(83.44,86.23) v1(89.53,84.58) v1(90.42,77.6) v1(90.8,96.65) v1(90.93,92.96) v1(91.06,86.61) v1(91.82,84.58) v1(91.95,92.08) v1(91.95,77.6) v1(91.95,76.58)
AV12: length 11.8
  TOP w0.61: C23.1 36.37,71.63 v1(35.05,71.63) ; v1(46.18,72.64) 44.65,72.64 C22.1 ; C25.1 v1(39.75,75.82) ; v1(43.05,75.82) 43.05,74.37 C24.1
  BOTTOM w0.254: v1(35.05,71.63) 35.12,71.56 U7.13 ; U7.19 35.77,73.96 35.56,74.17 v1(35.56,74.55) ; U7.35 42.91,75.68 v1(43.05,75.82) ; v1(39.75,75.82) 39.75,75.44 39.71,75.4 U7.27 ; U7.43 45.64,72.36 45.92,72.64 v1(46.18,72.64)
  vias: v2(36.45,72.52)
DV12: length 3.6
  BOTTOM w0.254: U7.61 42.91,65.09 v1(42.72,64.9) ; v1(46.1,71.29) 45.97,71.16 U7.46
  BOTTOM w0.508: 29.84,60.45 v2(28.45,60.45)
  vias: v1(29.97,62.99) v1(30.86,62.99) v1(31.75,62.99)
GND: length 531
  TOP w0.254: 33.27,34.54 33.32,34.59 J3.G3 34.71,32.55 v1(34.54,32.38) ; 41.91,32.51 41.56,32.86 J3.G2 42.75,34.59 42.8,34.54
  TOP w0.305: J23.4 85.22,45.24 85.63,44.83 v1(85.98,44.83) ; J23.10 v1(85.09,48.24) ; J23.7 v1(85.09,46.74)
  TOP w0.356: J2.6 67.81,91.82 v1(67.82,91.82) ; v1(69.34,91.95) 69.32,91.97 J2.3 ; J2.9 66.32,91.93 v1(66.42,91.82) ; v1(59.82,95) 59.81,94.99 J2.19 ; v1(64.26,91.95) 64.32,92 J2.13 ; v1(62.66,91.95) 62.81,92.1 J2.16 ; v1(58.31,95) J2.22 ; v1(57.02,95.38) 57.02,95.12 56.31,94.41 J2.26
  TOP w0.381: 24.42,88.43 J4.G2 ; J4.G2 25.86,89.71 25.15,90.42 ; J4.G2 25.86,86.41 ; J2.S1 65.44,99.48 v1(65.53,99.57) ; J2.S1 65.44,96.48 v1(65.53,96.39) ; J2.S1 67.14,98 v1(67.18,98.04) ; J2.S1 63.6,98 v1(63.51,97.92) ; 74.18,31.98 J5.G1 ; J5.G1 75.31,33.36 ; J5.G1 76.44,31.98 ; J2.S2 v1(56.19,99.57) ; J2.S2 57.92,98 ; J2.S2 54.15,98 v1(54.1,98.04) ; J4.G4 25.86,95.04 25.27,95.63 ; J4.G4 25.86,92.28 25.4,91.82 ; J4.G4 24.43,93.68 ; 48.52,93.44 J2.G2 ; J2.G2 50.03,96.43 ; J2.G2 48.52,99.41 ; J2.G2 47,96.43 ; 43.05,39.12 42.43,39.12 J3.G1 41.56,41.73 ; 71.6,96.43 J2.G1 ; J2.G1 73.11,93 73.15,92.96 ; J2.G1 73.11,99.41 ; 50.61,39.12 J1.G1 49.3,41.03 ; J3.2 34.71,40.6 34.54,40.77 33.53,40.77 ; J3.2 34.71,39.41 34.54,39.24 33.66,39.24 ; J3.2 33.42,39.99 33.4,40.01 ; 49.11,33.07 J1.G3 ; J1.G3 49.11,35.99 ; J1.G3 47.8,34.53 ; U21.3 U21.8 64.13,91.82 v1(64.26,91.95) ; 66.61,33.07 J1.G4 ; J1.G4 67.92,34.53 ; J1.G4 66.61,35.99 ; J1.G2 65.11,43.14 v1(65.41,43.43) ; J1.G2 66.42,41.03 ; J1.G2 65.11,39.92 65.66,39.37 66.67,39.37
  TOP w0.406: U4.3 v1(67.82,89.28) ; v1(85.6,38.48) U19.8 ; v1(79.38,33.15) 79.38,33.31 79.59,33.53 J5.4 ; J5.8 85.64,35.81 ; 85.64,35.81 85.6,35.86 U19.3 ; 85.64,35.81 v1(85.64,35.94) ; U10.8 v1(32.26,86.11) ; U23.8 v1(60.2,92.08) ; J5.5 v1(80.24,33.35) ; U10.3 v1(32.26,83.57) ; U4.8 v1(67.82,91.82)
  TOP w0.508: C71.2 89.93,72.25 90.17,72.01 v1(90.17,71.25) ; v1(57.15,45.97) 56.63,45.97 56.01,45.35 FB5.2 ; v1(80.64,58.8) 80.57,58.72 R65.1 R66.1 ; C51.2 v1(72.77,70.41) ; v1(69.98,84.84) 70.54,85.39 C15.2 ; v1(42.55,72.39) C22.2 ; R88.2 v1(49.78,47.88) ; v1(72.52,64.52) 73.08,64.52 R57.2 ; v1(31.05,76.14) C38.1 v1(32.26,77.34) ; v1(46.48,69.6) 45.92,70.15 C21.2 ; v1(56.26,59.31) 56.39,59.18 R23.2 ; C60.2 R67.1 v1(80.01,61.98) ; C24.2 42.16,73.33 ; C92.2 v1(31.67,42.55) ; C69.1 v1(69.85,61.85) ; J4.G1 43.35,88.43 43.43,88.52 ; J4.G1 41.56,87.35 41.91,87 v1(43.43,87) ; J4.G1 41.56,89.57 42.67,90.68 ; 42.93,93.73 42.88,93.68 J4.G3 ; v1(77.85,39.24) 77.85,38.52 U18.1 76.96,38.65 v1(76.96,39.24) ; v1(40,67.69) 40,66.75 C29.2 ; v1(40.26,70.74) 41.21,70.74 C36.1 ; 41.78,95.76 41.56,95.53 J4.G3 ; R38.2 v2(35.43,69.09) 35.43,69.98 v1(35.05,70.36) ; v1(86.36,32.51) 85.72,32.51 J5.S4 ; v1(74.35,89.53) 73.57,89.53 U5.1 73.75,88.77 v1(74.35,88.77) ; v1(50.29,52.96) C83.2 ; v1(77.22,31.73) 77.52,32.03 J5.S1 ; v1(72.52,66.17) 73.2,66.17 R56.2 ; C94.1 81.66,62.36 v1(82.04,61.98) ; ESD2.2 54.1,45.85 v1(53.21,45.85) ; C27.2 v1(39.26,67.7) ; C37.1 34.42,76.83 v1(33.78,77.47) ; C57.2 v1(85.85,62.47) ; v1(82.55,31.73) 82.85,32.03 J5.S3 ; C23.2 38.23,71.5 ; C72.2 v1(87.5,74.88) ; C20.2 41.53,66.73 v1(41.53,67.69) ; 35.69,75.51 C26.2 ; 42.67,91.57 41.56,92.68 J4.G3 ; v1(83.95,61.21) 83.9,61.16 R8.2 ; C50.2 v1(72.77,74.93) ; C25.2 v1(38.99,73.33) ; v1(70.28,64.39) C70.1 ; C70.1 v1(69.47,63.5) ; C70.1 v1(70.28,62.74) ; C47.2 v1(72.77,73.23) ; R73.1 v1(90.17,70.48) ; C58.2 v1(83.82,61.98) ; C82.2 v1(50.29,51.44) ; J5.S2 79.93,32.03 v1(79.63,31.73) ; R72.1 v1(90.17,69.47) ; R55.2 v1(74.42,73.61)
  TOP w0.559: v1(54.74,91.31) 54.41,90.98 C5.2 ; C4.2 52.37,44.96 v1(53.21,44.96)
  TOP w0.61: v1(72.01,58.67) 72.01,59.05 72.14,59.18 U12.2 ; U8.6 v1(46.48,85.47) ; C74.1 v1(74.68,62.36)
  IN1 w0.254: 33.15,34.54 33.19,34.59 J3.G3 34.71,33.19 34.04,32.51 ; 43.18,34.67 43.1,34.59 J3.G2 41.56,32.61 41.66,32.51
  IN1 w0.381: 36.32,40.64 35.36,40.64 J3.2 33.47,39.99 ; 42.93,38.86 41.8,39.99 J3.G1 41.56,41.73
  IN1 w0.508: 47.88,34.53 J1.G3 ; J1.G3 49.11,35.91 ; J1.G3 49.11,33.14 ; J4.G1 41.56,90.17 ; J4.G1 40.52,88.43 ; J4.G1 42.6,88.43 ; J4.G1 41.56,86.69 ; 65.11,39.2 J1.G2 ; J1.G2 66.34,41.03 ; J1.G2 65.11,42.86 ; H1.1 73.14,77.98 ; H1.1 69.18,77.98 ; H1.1 71.16,76 ; H1.1 71.16,79.96 ; J1.G4 67.84,34.53 ; J1.G4 66.61,35.91 ; J1.G4 66.61,33.14 ; J4.G2 26.9,88.43 ; J4.G2 25.86,90.17 ; J4.G2 25.86,86.69 ; J4.G2 24.82,88.43 ; 86.73,31.98 J5.G2 ; J5.G2 89.09,31.98 ; J5.G2 87.91,33.42 ; J5.G1 76.49,31.98 ; J5.G1 75.31,33.42 ; J5.G1 74.13,31.98 ; 73.11,93.52 J2.G1 ; J2.G1 73.11,99.33 ; J2.G1 71.68,96.43 ; 26.36,46.65 H2.1 ; H2.1 26.36,53.51 ; H2.1 29.79,50.08 ; 48.52,99.33 J2.G2 ; J2.G2 48.52,93.52 ; J2.G2 49.95,96.43 ; J2.G2 47.08,96.43 ; J4.G3 41.56,95.42 ; J4.G3 41.56,91.94 ; J4.G3 42.6,93.68 ; 50.61,39.2 J1.G1 ; J1.G1 50.61,42.86 ; J1.G1 49.38,41.03 ; J1.G1 51.84,41.03 ; J4.G4 25.86,95.42 ; J4.G4 24.82,93.68 ; J4.G4 25.86,91.94
  IN2 w0.254: 41.66,32.51 41.56,32.61 J3.G2 ; J3.G3 34.71,32.55 v1(34.54,32.38)
  IN2 w0.381: 34.71,41.73 J3.2 33.47,39.99 ; 42.8,39.99 J3.G1 41.56,41.73
  IN2 w0.508: J4.G1 42.6,88.43 ; J4.G1 41.56,87.28 41.15,86.87 ; J4.G1 40.52,88.43 ; J4.G1 41.56,90.17 ; J5.G2 89.09,31.98 ; J5.G2 86.73,31.98 ; J5.G2 87.91,33.42 ; J1.G1 51.84,41.03 ; J1.G1 50.61,42.86 ; J1.G1 50.61,39.2 ; J1.G1 49.38,41.03 ; 29.79,50.08 H2.1 26.36,46.65 ; 47.08,96.43 J2.G2 ; J2.G2 49.95,96.43 ; J2.G2 48.52,93.52 ; J2.G2 48.52,99.33 ; J2.G1 73.11,99.33 ; J2.G1 73.11,93.52 ; J2.G1 71.68,96.43 ; J1.G4 67.84,34.53 ; J1.G4 66.61,35.91 ; J1.G4 66.61,33.14 ; J4.G3 42.6,93.68 ; J4.G3 41.56,95.42 ; J4.G3 41.56,91.94 ; 69.18,77.98 H1.1 ; H1.1 71.16,76 ; H1.1 71.16,79.96 ; H1.1 73.14,77.98 ; J5.G1 76.49,31.98 ; J5.G1 74.13,31.98 ; J5.G1 75.31,33.42 ; 25.86,86.69 J4.G2 ; J4.G2 25.86,90.17 ; J4.G2 26.9,88.43 ; J4.G2 24.82,88.43 ; J1.G2 65.11,42.86 ; J1.G2 65.11,39.2 ; J1.G2 66.34,41.03 ; J4.G4 25.86,95.42 ; J4.G4 24.82,93.68 ; J4.G4 25.86,91.94 ; J1.G3 49.11,35.91 ; J1.G3 47.88,34.53 ; J1.G3 49.11,33.14
  BOTTOM w0.127: 92.28,43.99 92.28,45.26 92.2,45.34
  BOTTOM w0.198: U1.35 63.55,61.92 v1(63.63,61.85) ; U1.15 v1(57.02,61.52)
  BOTTOM w0.254: 33.53,34.54 33.57,34.59 J3.G3 ; v1(46.1,73.91) 45.9,73.91 45.54,73.56 U7.40 ; J3.G3 34.71,35.27 34.29,35.69 33.53,35.69 ; J3.G3 34.71,32.55 v1(34.54,32.38) ; v1(38.49,75.82) 38.51,75.8 U7.24 ; J3.G2 41.56,32.61 41.66,32.51 ; J3.G2 42.75,34.59 42.8,34.54 ; J3.G2 41.56,35.34 42.04,35.81 42.8,35.81 ; U7.32 41.71,75.75 v1(41.78,75.82) ; U7.16 35.19,72.76 35.05,72.9 v1(35.05,72.89) ; U7.10 v1(35.05,70.36)
  BOTTOM w0.305: v1(88.52,46.74) U22.3 U22.8
  BOTTOM w0.381: 49.3,41.03 J1.G1 ; J1.G1 50.61,42.93 ; J1.G1 51.92,41.03 ; J1.G1 50.61,39.12 ; 42.68,88.43 J4.G1 41.56,86.61 ; J4.G4 25.86,95.5 ; J4.G4 25.86,91.86 ; J4.G4 24.74,93.68 ; 33.48,40.82 34.49,40.82 34.71,40.6 J3.2 ; 66.61,33.07 J1.G4 ; J1.G4 67.92,34.53 ; J1.G4 66.61,35.99 ; J1.G2 65.11,42.84 64.9,43.05 ; J1.G2 65.11,39.12 ; J1.G2 66.42,41.03 ; 25.86,86.61 J4.G2 ; J4.G2 26.98,88.43 ; J4.G2 24.74,88.43 ; J5.G1 75.31,33.36 ; J5.G1 74.18,31.98 ; J5.G1 76.44,31.98 ; 49.11,33.07 J1.G3 ; J1.G3 47.8,34.53 ; J1.G3 49.11,35.99 ; 42.8,39.99 J3.G1 41.56,41.31 42.04,41.78 ; v1(33.53,38.73) 33.78,38.73 34.71,39.66 J3.2 ; 33.53,40.01 33.54,39.99 J3.2 ; 48.52,93.31 J2.G2 46.88,96.43 ; C81.2 88.27,83.31 87.5,82.55 87.5,79.63 89.53,77.6 89.53,76.2 90.93,74.8 ; 87.91,33.36 J5.G2 86.78,31.98
  BOTTOM w0.406: U16.3 v1(61.72,43.18) ; U17.3 v1(57.15,43.18)
  BOTTOM w0.508: 74.3,57.02 74.73,56.59 C79.2 73.79,55.88 ; R24.2 65.86,63.37 v1(66.55,63.37) ; v1(80.64,58.8) 80.64,58.67 79.93,57.96 R99.1 ; v1(53.72,64.77) 53.97,64.52 C8.2 ; R25.2 v1(53.72,61.21) ; C41.2 31.32,69.55 v1(31.24,69.47) ; C3.1 64.08,65.61 v1(63.88,65.41) ; 41.56,91.94 J4.G3 ; J4.G3 42.6,93.68 ; J4.G3 41.56,95.42 ; v1(53.72,58.8) 53.72,58.47 C7.2 ; C2.1 66.12,61.34 v1(66.55,61.34) ; R34.2 34.54,63.12 v1(34.42,62.99) 33.91,62.99 33.67,63.23 C34.2 ; 48.51,99.57 48.52,99.57 J2.G2 50.58,96.43 50.8,96.65 ; v1(28.45,59.44) 30.23,59.44 30.48,59.18 EC1.2 v1(28.45,58.7) ; v1(37.47,62.36) C40.2 R40.2 ; C6.2 v1(53.72,65.53) ; 71.25,96.39 71.28,96.43 J2.G1 ; v1(45.21,63.42) C30.2 ; C59.2 v1(78.87,69.09) ; v1(44.58,62.61) 44.07,62.61 43.43,63.25 R37.2 ; R21.2 v1(53.72,63.25) ; v1(74.3,87.76) 75.69,86.36 76.71,86.36 77.27,85.8 C80.2 ; C9.2 v1(53.72,59.82) ; C31.2 v1(48.64,65.53) ; v1(51.17,65.41) R4.2 51.17,63.61 50.93,63.37 ; v1(70.15,55.25) R9.2 ; v1(50.42,45.21) 51.81,45.21 ESD1.2 51.94,46.1 v1(50.42,46.1) ; 73.15,99.7 73.11,99.66 J2.G1 ; J2.G1 73.11,92.62 v1(73.15,92.58) ; R41.2 v1(48.64,66.55) ; v1(47.88,58.67) 47.88,58.29 47.5,57.91 C32.2 ; R62.1 74.42,72.59 v1(74.42,73.61) ; C1.1 v1(63.5,58.47) ; R22.2 v1(53.72,62.23) ; C39.2 v1(31.24,66.85)
  BOTTOM w0.533: 69.09,58.55 U13.2 71.88,58.55 v1(72.01,58.67) ; U13.1 71.75,57.28 ; 71.75,61.09 U13.4 68.83,61.09 ; 69.22,59.82 71.75,59.82
  BOTTOM w0.559: U6.4 v1(40.51,61.59)
  BOTTOM w0.61: v1(28.19,64.64) C33.1 29.54,64.34 29.08,63.88 v1(28.19,63.88) ; C28.1 48.27,63.13 v1(47.88,62.74)
  vias: v1(23.67,44.58) v1(23.67,41.45) v1(23.75,96.27) v1(23.75,90.3) v1(23.75,85.22) v1(23.75,77.6) v1(23.75,73.03) v1(23.75,69.72) v1(23.75,64.9) v1(23.75,59.82) v1(23.75,54.74) v1(23.75,47.37) v1(23.75,34.42) v1(25.91,96.27) v1(25.91,76.96) v1(26.42,31.37) v1(26.54,53.59) v1(26.54,34.92) v1(27.18,54.1) v1(27.18,44.2) v1(27.18,40.64) v1(27.43,46.74) v1(27.69,53.34) v1(27.94,54.1) v1(28.07,82.68) v1(28.45,38.73) v1(29.59,31.37) v1(30.73,79.38) v1(30.86,34.16) v1(31.5,38.73) v1(33.27,31.37) v1(37.47,81.53) v1(37.85,73.15) v1(37.85,70.61) v1(38.68,82.63) v1(39.12,72.14) v1(40.51,83.06) v1(40.77,67.69) v1(40.89,73.15) v1(40.89,72.14) v1(40.89,52.96) v1(41.27,83.06) v1(41.27,48.89) v1(41.4,52.07) v1(41.4,50.93) v1(41.4,49.78) v1(41.53,99.57) v1(41.53,97.16) v1(41.53,91.44) v1(41.91,52.96) v1(42.04,83.06) v1(42.04,48.89) v1(42.67,48.13) v1(42.8,52.96) v1(42.8,52.07) v1(42.8,50.93) v1(42.8,49.78) v1(42.8,48.89) v1(43.05,47.37) v1(43.18,94.36) v1(43.18,39.88) v1(43.43,48.13) v1(43.69,99.57) v1(43.81,89.92) v1(43.81,31.37) v1(43.94,47.37) v1(44.2,48.13) v1(44.7,95.63) v1(45.72,65.15) v1(45.97,36.83) v1(45.97,33.91) v1(45.97,31.37) v1(46.1,92.2) v1(46.48,95.12) v1(46.61,99.57) v1(48.01,39.88) v1(48.13,31.37) v1(50.67,99.57) v1(50.67,97.41) v1(52.83,77.98) v1(53.34,96.01) v1(53.34,95.25) v1(53.97,99.57) v1(54.1,96.01) v1(54.1,95.25) v1(54.1,76.71) v1(54.23,71.5) v1(54.74,77.98) v1(54.86,96.01) v1(54.86,95.25) v1(55.5,82.3) v1(55.63,71.5) v1(56.13,76.71) v1(56.26,95.38) v1(57.02,77.98) v1(57.4,99.57) v1(57.53,82.3) v1(57.53,71.5) v1(58.29,76.71) v1(58.42,98.04) v1(58.74,63.12) v1(58.74,61.59) v1(59.56,60.33) v1(59.69,82.3) v1(59.82,70.48) v1(60.13,63.12) v1(60.13,61.59) v1(60.25,99.57) v1(60.33,76.71) v1(60.58,60.33) v1(61.34,77.98) v1(61.59,63.12) v1(61.59,61.59) v1(61.59,60.33) v1(61.85,70.36) v1(62.74,94.87) v1(63.37,45.21) v1(63.37,44.32) v1(64.01,70.36) v1(64.13,45.21) v1(64.13,44.32) v1(65.41,45.21) v1(65.41,44.32) v1(65.53,94.87) v1(65.79,83.82) v1(66.29,45.21) v1(66.29,44.32) v1(66.29,43.43) v1(66.42,69.72) v1(66.55,31.37) v1(67.56,83.06) v1(67.56,40.64) v1(67.69,38.1) v1(68.33,99.57) v1(68.33,95) v1(68.58,72.77) v1(68.58,71.25) v1(68.58,33.53) v1(68.83,62.36) v1(68.96,31.37) v1(69.09,67.31) v1(69.22,97.16) v1(70.48,83.82) v1(70.61,35.56) v1(70.87,68.2) v1(71.12,31.37) v1(71.25,97.16) v1(71.25,94.87) v1(71.63,99.57) v1(71.63,84.71) v1(72.14,37.59) v1(72.14,33.53) v1(72.77,58.67) v1(72.9,31.37) v1(73.53,83.44) v1(73.66,80.39) v1(73.66,35.56) v1(73.91,62.36) v1(74.3,99.57) v1(75.51,61.98) v1(75.82,43.18) v1(76.28,61.98) v1(76.71,43.18) v1(77.6,43.18) v1(78.49,43.18) v1(78.61,73.28) v1(79.63,71.88) v1(79.63,70.61) v1(80.39,54.61) v1(80.39,52.2) v1(80.64,73.28) v1(81.15,54.61) v1(81.15,52.2) v1(81.28,71.88) v1(81.28,70.36) v1(81.28,68.71) v1(81.53,36.2) v1(81.53,34.29) v1(81.91,54.61) v1(81.91,37.72) v1(82.3,67.06) v1(82.68,54.61) v1(83.06,71.88) v1(83.06,70.36) v1(83.06,68.71) v1(83.31,36.2) v1(83.31,34.29) v1(84.71,71.88) v1(84.71,69.98) v1(84.71,68.58) v1(87.38,38.61) v1(87.63,36.58) v1(88.65,40.64) v1(88.9,35.05) v1(89.41,64.52) v1(90.42,61.21) v1(91.95,75.44) v1(91.95,70.36) v1(91.95,67.06) v1(91.95,63.75) v1(91.95,60.2) v1(91.95,53.09) v1(91.95,50.04) v1(91.95,46.99) v1(91.95,41.53) v1(91.95,34.54) v2(39.88,71.5)
